# Altium PCB PCB_Therm.PcbDoc (continued)
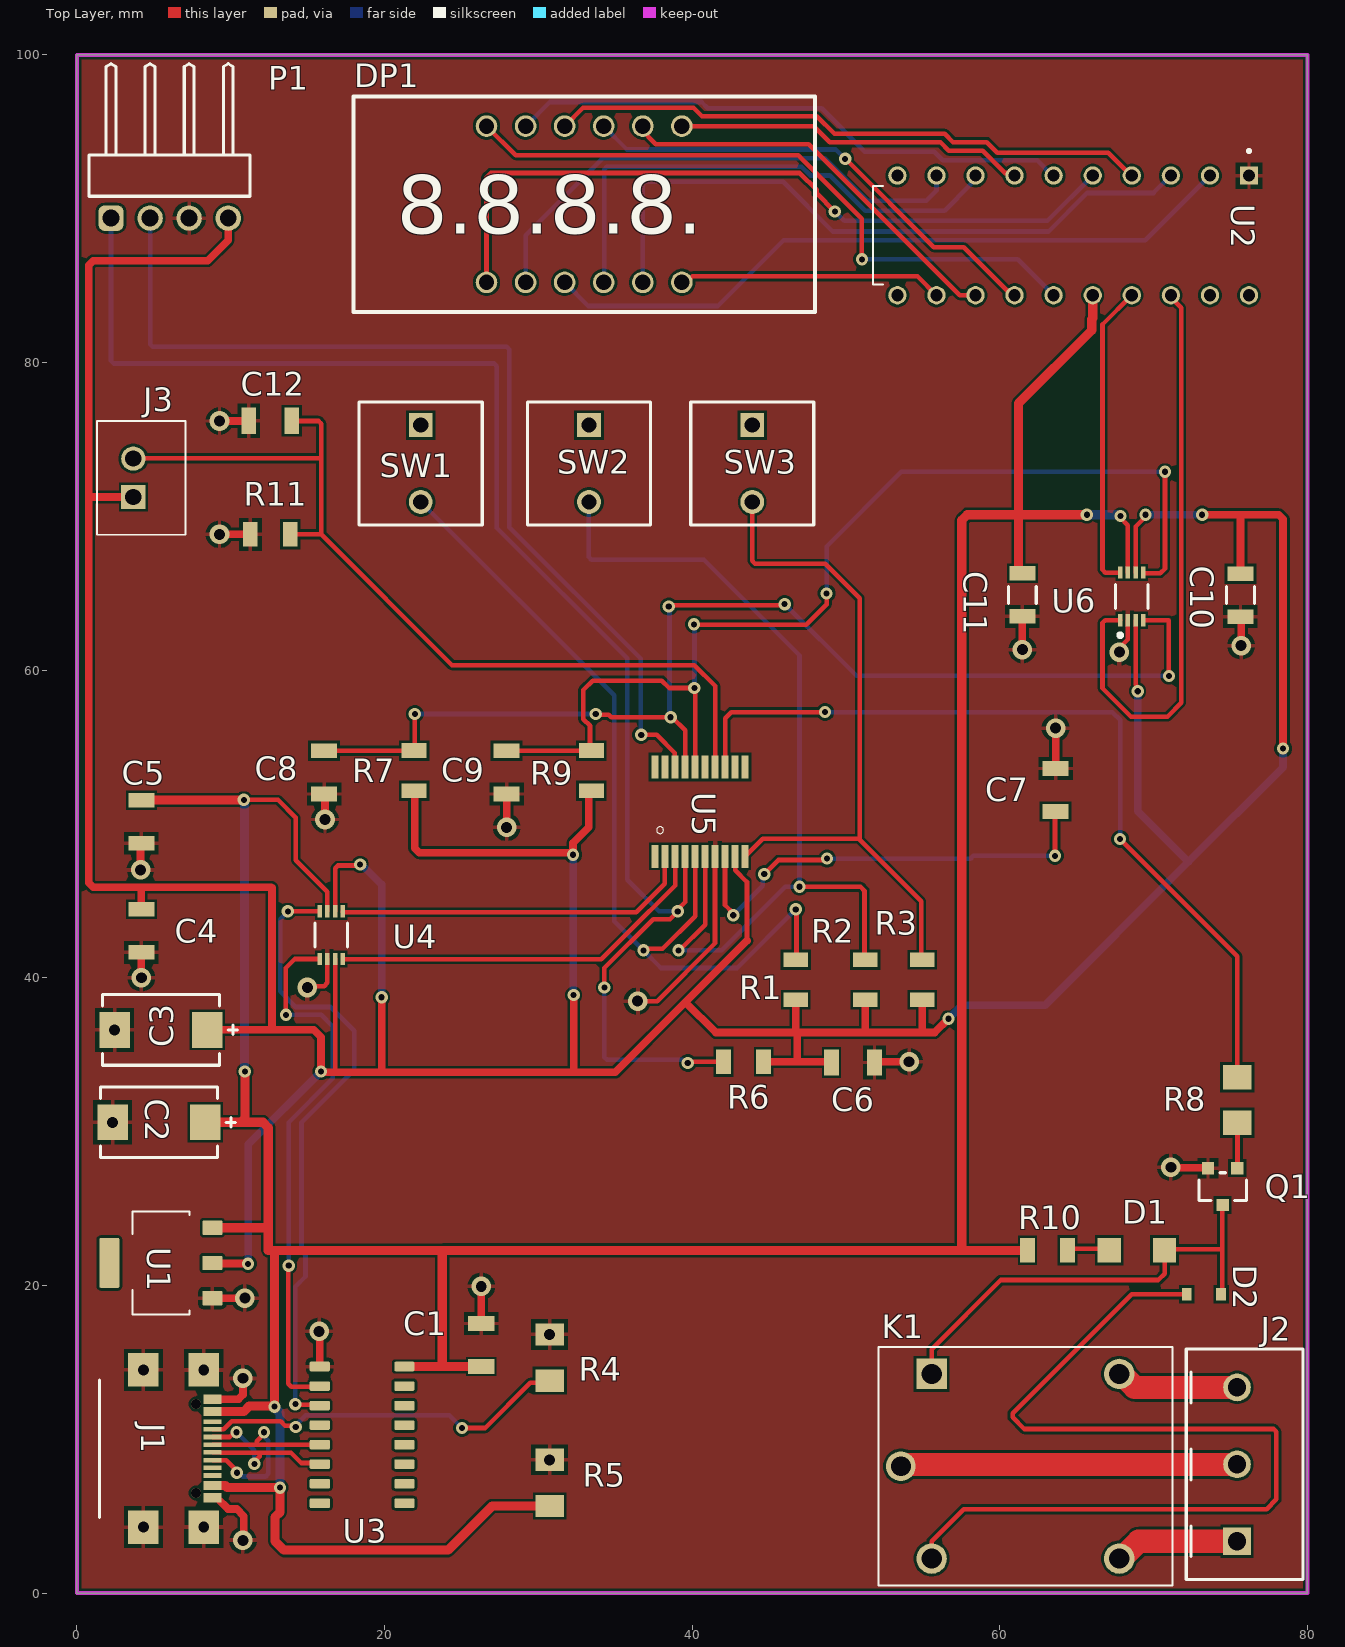
[diagram p0: Top Layer view]
## Part data (continued)
D1: library part CMP-22017-000041-1, "LED RED CLEAR CHIP SMD", Case Code (Imperial)=1206, Case Code (Metric)=3216, Color=Red, Forward Current=30mA, Forward Voltage=2V, Lens Color=Colorless, Max Operating Temperature=85°C, Min Operating Temperature=-55°C, Package Quantity=1, Power Dissipation=75mW, Reverse Voltage=5V, Test Current=20mA, Case/Package=1206, Depth=1.6mm, Dominant Wavelength=631nm, Height=1.1mm, Illumination Color=Red, Lead Free="Lead Free", Length=3.2mm, Lens Style=Diffused, Lens Transparency=Clear, Luminous Intensity=54mcd, Mount="Surface Mount", Number of Elements=1, Number of LEDs=1, Number of Pins=2, Packaging="Tape and Reel", Power Rating=75mW, Radiation Hardening=No, RoHS Compliant=Yes, Viewing Angle=130°, Wavelength=639nm, Width=1.6mm
D2: library part CMP-1055-00462-1, "Schottky Barrier Diode, 2-Pin SOD-323, Pb-Free, Tape and Reel", Manufacturer="On Semiconductor", ComponentLink1Description="Manufacturer URL", ComponentLink1URL=http://www.onsemi.com/, ComponentLink2Description=Datasheet, ComponentLink2URL=http://www.onsemi.cn/pub_link/Collateral/BAT54HT1-D.PDF, ComponentLink3Description="Package Specification", ComponentLink3URL=http://www.onsemi.com/pub_link/Collateral/477-02.PDF.1, Configuration=Single, DatasheetVersion="Rev. 6", IFSM Max (A)=0.6, Mounting Technology="Surface Mount", PackageDescription="2-Pin SOD, Body 1.7 x 1.25 mm", PackageReference=SOD-323-2-477-02, PackageVersion="Rev. H, 03/2007", Packing="Tape and Reel", PartNumber=BAT54HT1G, RoHS=TRUE, trr Max (ns)=5
DP1: library part Component_1
J1: library part CMP-002-00072-1, "USB-C (USB TYPE-C) USB 2.0 Receptacle Connector 24 (16+8 Dummy) Position Surface Mount, Right Angle", Case/Package=None, Check_prices=https://www.snapeda.com/parts/USB4110GFA/Global+Connector+Technology/view-part/?ref=eda, Component Type=Standard, Design Item ID=USB4110GFA, MF="Global Connector Technology", MP=USB4110GFA, Pins=16, SnapEDA_Link=https://www.snapeda.com/parts/USB4110GFA/Global+Connector+Technology/view-part/?ref=snap, Source=USB4110GFA.SchLib
J2: library part CMP-037-000000-1, "3 Position Wire to Board Terminal Block Horizontal with Board 0.197 (5.00mm) Through Hole", Package=None, Check_prices=https://www.snapeda.com/parts/395430603/Molex/view-part/?ref=eda, Component Type=Standard, Design Item ID=39543-0603, MF=Molex, MP=395430603, Pin Count=3, SnapEDA_Link=https://www.snapeda.com/parts/395430603/Molex/view-part/?ref=snap, Source=39543-0603.SchLib
J3: library part CMP-033-000000-1, Package=None, Availability=Unavailable, Component Type=Standard, Design Item ID=B2B-XH-A, MF="{'manufacturer': u'JST Sales America Inc.'}", MP=B2B-XH-A, Pin Count=2, Price=None, Source=B2B-XH-A.SchLib
K1: library part CMP-013-000000-1, "5V Trigger Relay Module For Arduino And Raspberry Pi 5V Trigger Relay Module For Arduino And Raspberry Pi", Package="NON STANDARD-5 Songle Relay", Availability="Not in stock", Check_prices=https://www.snapeda.com/parts/SRD-05VDC-SL-C/Songle+Relay/view-part/?ref=eda, Component Type=Standard, Design Item ID=SRD-05VDC-SL-C, MF="Songle Relay", MP=SRD-05VDC-SL-C, Pin Count=5, Price=None, SnapEDA_Link=https://www.snapeda.com/parts/SRD-05VDC-SL-C/Songle+Relay/view-part/?ref=snap, Source=SRD-05VDC-SL-C.SchLib
P1: library part CMP-1502-01063-3, Color=Black, Contact Resistance=20mΩ, Current Rating=3A, Operating Supply Voltage=250V, Connector Type="Male Pin", Contact Material=Copper, Contact Mating Length=5.9944mm, Contact Plating=Gold, Gender=Male, Lead Pitch=2.54mm, Mount="Through Hole", NexarPartId=31153320, Number of Contacts=4, Number of Pins=4, Number of Positions=4, Number of Rows=1, Pitch=2.54mm, REACH SVHC=Unknown, RoHS=Compliant, Termination=Solder
Q1: library part CMP-83955-000006-1, "MOSFET N-CH 30V 5.7A SOT23", Case/Package=SOT-23, Continuous Drain Current (ID)=5.7A, Drain to Source Voltage (Vdss)=30V, Gate to Source Voltage (Vgs)=12V, Input Capacitance=630pF, Max Operating Temperature=150°C, Max Power Dissipation=1.4W, Min Operating Temperature=-55°C, Lead Free="Lead Free", Mount="Surface Mount", Number of Elements=1, Number of Pins=3, Packaging="Tape and Reel", Power Dissipation=1.4W, Radiation Hardening=No, Rds On Max=26.5mR
R1 R2 R3 R6 R7 R9 R11: library part CMP-03211-004788-1, "CRGP 1206 10K 1%", Ambient Temperature Range High=+70°C, Manufacturer=TE, Package=CRGP1206, Power Rating=0.5W, Resistance=10KΩ, Temperature="-55°C to +155°C", Temperature Coefficient=±100ppm/°C, Temperature Range High=+155°C, Temperature Range Low=-55°C, Tolerance=0.01, Voltage Rating=200V, Automotive=No, Category=Res, ComponentLink2Description=Datasheet, ComponentLink2URL=https://www.mouser.com/datasheet/2/418/NG_DS_9-1773463-9_A-1358566.pdf, Composition="Thick Film", Device Class L1="Passive Components", Device Class L2=Resistors, Device Class L3="Chip SMD Resistors", Digikey Description="CRGP 1206 10K 1%", Height=0.65mm, Ipc Land Pattern Name=RESC310155X55, Lead Free=Yes, Manufacturer Part Number=CRGP1206F10K, Octopart=https://octopart.com/crgp1206f10k-te+connectivity-91018843, RoHS=TRUE, Series=CRGP
R4 R5: library part CMP-08839-028234-1, "5.1kΩ ±1% 0.5W 1206 Anti-Surge Chip Resistor AEC-Q200", Case/Package=1206, Max Operating Temperature=155°C, Max Power Dissipation=333mW, Min Operating Temperature=-55°C, Package Quantity=5000, Resistance=5.1kR, Resistor Type="Thick Film", Temperature Coefficient=100ppm/°C, Tolerance=1%, Features="Automotive AEC-Q200", Height=0.026inch, Length=0.126inch, Number of Terminations=2, Packaging="Tape and Reel", RoHS Compliant=Yes, Series=ESR18, Width=0.063inch
R8: library part CMP-26527-004145-1, "220Ω ±5% 0.25W 1206 Thick Film Chip Resistor AEC-Q200 compliant", Case Code (Imperial)=1206, Case Code (Metric)=3216, Max Operating Temperature=155°C, Max Power Dissipation=250mW, Min Operating Temperature=-55°C, Resistance=220R, Resistor Type="Thick Film", Temperature Coefficient=200ppm/°C, Tolerance=5%, Case/Package=1206, Construction=Rectangular, Contact Plating=Tin, Depth=1.6mm, Features="Automotive AEC-Q200", Height=0.028inch, Lead Free="Lead Free", Length=0.126inch, Military Standard=Not, Mount="Surface Mount", Number of Terminations=2, Packaging="Tape and Reel", Power Rating=250mW, Radiation Hardening=No, RoHS Compliant=Yes, Series=RMCF, Size Code=1206, Width=0.063inch
R10: library part CMP-03211-006592-1, "CRGCQ1206 1KΩ 0.25W 1% ±100ppm/°C 200V", Ambient Temperature Range High=+70°C, Manufacturer="TE Connectivity", Package=CRGCQ1206, Power Rating=0.25W, Resistance=1KΩ, Temperature="-55°C to +155°C", Temperature Coefficient=±100ppm/°C, Temperature Range High=+155°C, Temperature Range Low=-55°C, Tolerance=0.01, Voltage Rating=200V, Automotive=Yes, Automotive Grade="Grade 685", Category=Res, ComponentLink2Description=Datasheet, ComponentLink2URL=https://www.te.com/commerce/DocumentDelivery/DDEController?Action=showdoc&DocId=Data+Sheet%7F1773204-3%7F1%7Fpdf%7FEnglish%7FENG_DS_1773204-3_1.pdf%7F4-2176347-694, Composition="Thick Film", Device Class L1="Passive Components", Device Class L2=Resistors, Device Class L3="Chip SMD Resistors", Height=0.65mm, Ipc Land Pattern Name=RESC310155X55, Lead Free=Yes, Manufacturer Part Number=CRGCQ1206F1K0, Octopart=https://octopart.com/crgcq1206f1k0-te+connectivity-91018258, RoHS=TRUE, Series=CRGCQ
SW1 SW2 SW3: library part CMP-00287-56250562-1, "EVQ-QJJ05Q Switch Tactile N.O. SPST Round Button PC Pins 0.005A 12VDC 0.8N Thru-Hole Radial T/R", Case/Package=Axial, Contact Current Rating=5mA, Contact Resistance=200mΩ, Max Operating Temperature=70°C, Max Voltage Rating (DC)=12V, Min Operating Temperature=-20°C, Operating Force=800mN, Actuator Length=1.5mm, Contact Plating=Silver, Current Rating=5mA, Electrical Life=1Mcycles, Height=5mm, Illumination Type="Illuminated, Non-Illuminated", Lead Free="Lead Free", Length=8mm, Life (Cycles)=1Mcycles, Mechanical Life=1Mcycles, Mount="Through Hole", NexarPartId=56250562, Orientation=Straight, Packaging="Tape & Box (TB)", Radiation Hardening=No, REACH SVHC="No SVHC", RoHS=Compliant, Switch Function=Off-Mom, Switch Travel=1mm, Termination="PC Pin", Throw Configuration=SPST, Voltage Rating (DC)=12V, Width=8mm
U1: library part CMP-031-00006-2, "Linear Voltage Regulator IC Positive Fixed 1 Output 1A SOT-223-3L", Case/Package="SOT-223-3L UMW", Check_prices=https://www.snapeda.com/parts/AMS1117-3.3/UMW/view-part/?ref=eda, Component Type=Standard, Design Item ID=AMS1117-3.3, MF=UMW, MP=AMS1117-3.3, Pins=3, SnapEDA_Link=https://www.snapeda.com/parts/AMS1117-3.3/UMW/view-part/?ref=snap, Source=AMS1117-3.3.SchLib
U2: "LED Drive Control Special Circuit", Package=None, Check_prices=https://www.snapeda.com/parts/TM1637/Titan+Micro+Electronics/view-part/?ref=eda, MF="Titan Micro Electronics", MP=TM1637, SnapEDA_Link=https://www.snapeda.com/parts/TM1637/Titan+Micro+Electronics/view-part/?ref=snap
U3: library part CMP-019-000000-1, "USB to serial chip CH340", Package=None, Availability="Not in stock", Check_prices=https://www.snapeda.com/parts/CH340C/WCH/view-part/?ref=eda, Component Type=Standard, Design Item ID=CH340C, MF=WCH, MP=CH340C, Pin Count=16, Price=None, SnapEDA_Link=https://www.snapeda.com/parts/CH340C/WCH/view-part/?ref=snap, Source=CH340C.SchLib
U4 U6: library part CMP-0859-00001-2, "IC TRNSLTR BIDIRECTIONAL US8", Ambient Temperature Range High=+85°C, Ambient Temperature Range Low=-40°C, Manufacturer="Texas Instruments", Max Junction Temp=+150°C, Max Supply Voltage=5.5V, Min Supply Voltage=1.65V, Nominal Supply Current=1-14.4uA, Package=DCU0008A, Temperature="-40°C to +85°C", Automotive=No, Category=IC, ComponentLink2Description=Datasheet, ComponentLink2URL=http://www.ti.com/lit/ds/symlink/txs0102.pdf, Data Rate=24Mbits/s, Device Class L1="Integrated Circuits (ICs)", Device Class L2="Logic ICs", Device Class L3="Voltage Level Shifters", Digikey Description="IC TRNSLTR BIDIRECTIONAL US8", Height=0.9mm, Lead Free=Yes, Logic Function Desc="Bidirectional Voltage-Level Translator", Manufacturer Part Number=TXS0102DCUR, Mouser Description="Translation - Voltage Levels 2-Bit Bi-Directional Voltage-Level-Trans", Number Of Circuits=1, Number Of Inputs=2, Number Of Outputs=2, Octopart=https://octopart.com/txs0102dcur-texas+instruments-5414308, RoHS=TRUE, Standoff Height=0mm, Temperature Range High=+85°C, Temperature Range Low=-40°C, V A Max=3.6V, V A Min=1.65V, V B Max=5.5V, V B Min=2.3V
U5: "STM8 series Microcontroller IC 8-Bit 16MHz 8KB (8K x 8) FLASH 20-TSSOP", Package="TSSOP-20 STMicroelectronics", Check_prices=https://www.snapeda.com/parts/STM8S103F3P6/STMicroelectronics/view-part/?ref=eda, MF=STMicroelectronics, MP=STM8S103F3P6, SnapEDA_Link=https://www.snapeda.com/parts/STM8S103F3P6/STMicroelectronics/view-part/?ref=snap

## Via types
v1: diameter 0.8, hole 0.4, Top Layer to Bottom Layer, 54 vias
v2: diameter 1.27, hole 0.711, Top Layer to Bottom Layer, 27 vias

## Nets (pads, with @x,y where several pads share a name; then routed paths per layer and width w, separated by ;. In a path a pad name is that pad's centre, name@x,y a point inside that pad or via, vN(x,y) a via of type N, cw(c..) or ccw(c..) an arc to the next point about the centre after c; other vN are vias at no path point)
+3.3V: C3.2 C4.2 C6.2 C10.2 J3.1 P1.4 R1.2 R2.2 R3.2 R6.2 R7.2 R9.2 U1.2 U4.3 U4.6 U5.9 U6.3 U6.6 | length 309.6
  Top Layer w0.3: 16.787,33.854 U4.3 ; U4.6@16.791,44.322 16.791,47.123 16.967,47.299 18.343,47.299 v1(18.415,47.371) ; U5.9 42.809,47.879 42.809,46.983 43.561,46.231 43.561,42.418 ; U6.3 68.826,62.908 68.827,59.061 68.868,59.019 68.868,58.731 v1(68.964,58.635) ; U6.6 68.826,69.339 69.469,69.982 v1(69.469,70.104)
  Top Layer w0.5: J3.1 0.768,71.253 0.762,71.247 ; C4.2 4.191,45.886 ; C3.2 8.473,36.614 12.683,36.614 ; U1.2 8.836,21.433 11.095,21.433 v1(11.125,21.402) ; P1.4 9.839,87.944 8.509,86.614 1.055,86.614 0.762,86.321 0.762,71.247 ; v1@15.875,33.854 16.787,33.854 19.812,33.854 ; v1(15.875,33.909) 15.875,36.134 15.395,36.614 12.683,36.614 ; v1(19.812,38.735) 19.812,33.854 ; R7.2 21.918,51.989 21.964,51.943 21.964,48.426 22.257,48.133 v1@32.258,48.133 ; v1(32.258,48.006) 32.258,48.768 33.274,49.784 33.274,51.993 R9.2 ; v1(32.296,38.881) 32.295,33.854 ; 43.561,42.418 39.561,38.418 ; R6.2 46.823,34.544 ; R1.2 46.736,36.536 46.823,36.449 ; C6.2 49.006,34.544 46.823,34.544 ; R2.2 51.245,36.513 51.181,36.449 ; R3.2 54.954,36.539 54.864,36.449 ; v1(56.661,37.338) 55.772,36.449 54.864,36.449 ; v1(73.152,70.104) 75.819,70.104 ; C10.2 75.645,69.93 75.819,70.104 ; v1(78.415,54.903) 78.415,69.811 78.122,70.104 75.819,70.104 ; 0.762,71.247 0.762,46.179 1.055,45.886 4.191,45.886 ; 4.191,45.886 12.645,45.886 12.683,45.847 12.683,36.614 ; 19.812,33.854 32.295,33.854 ; 32.295,33.854 34.997,33.854 39.56,38.418 ; 39.561,38.417 41.529,36.449 46.823,36.449 ; 46.823,34.544 46.823,36.449 ; 46.823,36.449 51.181,36.449 ; 51.181,36.449 54.864,36.449
  Bottom Layer w0.5: v1@11.141,21.419 11.141,29.175 v1(15.875,33.909) ; v1(18.415,47.371) 18.496,47.371 19.261,46.606 19.268,46.606 19.812,46.062 v1(19.812,38.735) ; v1(32.258,48.006) 32.277,47.987 32.277,38.9 v1(32.296,38.881) ; v1(56.661,37.338) 57.533,38.21 62.937,38.21 72.263,47.536 ; v1(68.964,58.635) 68.964,50.836 72.263,47.536 ; v1(69.469,70.104) v1(73.152,70.104) ; v1(78.415,54.903) 78.415,53.688 72.263,47.536
+5V: C1.2 C2.2 C5.2 C11.2 J1.A4/B9 J1.B4/A9 R5.2 R10.1 U1.3 U2.16 U3.16 U4.7 U6.7 | length 244.9
  Top Layer w0.3: v1(10.857,51.569) 13.074,51.569 14.224,50.419 14.224,47.653 16.287,45.59 U4.7 ; v1(67.846,70.027) 67.846,69.892 68.326,69.412 U6.7
  Top Layer w0.6: C5.2 4.201,51.559 10.847,51.559 v1(10.857,51.569) ; C2.2 10.668,30.607 ; U1.3 8.81,23.749 12.095,23.749 ; J1.B4/A9 9.639,6.998 9.779,6.858 v1(13.208,6.858) 13.208,5.262 12.871,4.926 12.871,3.385 13.462,2.794 24.13,2.794 27,5.664 R5.2 ; J1.A4/B9 9.819,11.798 9.821,11.8 10.846,11.8 11.206,12.16 v1@12.844,12.16 ; v1(10.922,33.909) 10.922,30.861 10.668,30.607 ; v1(12.844,12.123) v1@12.844,12.16 ; U3.16 23.757,14.732 ; C1.2@26.221,14.732 23.757,14.732 ; C11.2@61.214,66.294 61.214,70.104 ; R10.1@61.777,22.267 57.531,22.267 ; v1(65.659,70.104) 61.214,70.104 ; U2.16 66.04,82.88 65.971,82.811 65.971,82.1 61.214,77.343 61.214,70.104 ; 10.668,30.607 12.095,30.607 12.446,30.256 12.446,22.267 12.844,22.267 ; v1@12.844,12.16 12.844,22.267 ; 12.844,22.267 23.749,22.267 ; 23.749,22.267 57.531,22.267 ; 23.749,22.267 23.757,22.26 23.757,14.732 ; 57.531,22.267 57.531,69.753 57.882,70.104 61.214,70.104
  Bottom Layer w0.6: v1(10.857,51.569) 10.89,51.536 10.89,33.941 v1(10.922,33.909) ; v1(12.844,12.123) 12.844,12.069 13.208,11.706 v1(13.208,6.858) ; v1(65.659,70.104) 67.715,70.104 67.792,70.027 v1(67.846,70.027)
GND: C1.1 C2.1 C3.1 C4.1 C5.1 C6.1 C7.2 C8.2 C9.2 C10.1 C11.1 C12.1 J1.A1/B12 J1.B1/A12 J1.S1 J1.S2 J1.S3 J1.S4 P1.3 Q1.2 R4.1 R5.1 R11.1 U1.1 U2.1 U3.1 U4.2 U5.7 U6.2 | length 54.2
  Top Layer w0.3: v2(14.986,39.37) 15.076,39.46 16.071,39.46 16.287,39.676 U4.2 ; v2(36.449,38.481) 37.719,38.481 41.483,42.245 U5.7@41.483,47.895 ; v2(67.769,61.174) 67.769,61.437 68.326,61.994 U6.2
  Top Layer w0.5: v2(4.142,47.02) 4.142,48.699 C5.1 ; v2(4.191,40.005) C4.1@4.191,41.275 ; U1.1 8.808,19.175 10.92,19.175 v2(10.922,19.177) ; J1.B1/A12@8.822,6.194 9.101,6.194 9.824,5.471 10.384,5.471 10.855,5.001 10.855,3.489 v2(10.795,3.429) ; J1.A1/B12 10.502,12.598 10.795,12.891 v2(10.795,13.97) ; v2(9.271,68.834) R11.1 ; v2(9.271,76.2) 11.176,76.2 11.176,76.212 C12.1 ; v2(15.748,17.018) 15.792,16.974 U3.1 ; C8.2 16.129,51.898 v2(16.129,50.292) ; C1.1 v2(26.289,19.939) ; v2(27.94,49.784) C9.2 ; v2(30.734,16.815) R4.1@30.988,17.069 ; C6.1 51.906,34.544 v2(54.102,34.544) ; v2(61.468,61.341) C11.1 ; C7.2 v2(63.627,56.238) ; v2(71.12,27.686) 71.15,27.656 73.507,27.656 Q1.2 ; C10.1 75.692,63.432 v2(75.692,61.595)
  other v2: 4.317,4.288 8.247,4.288 30.734,8.666 4.317,14.508 8.247,14.508 2.324,30.607 2.451,36.616
NetC7_1: C7.1 U5.8 | length 29.8
  Top Layer w0.3: U5.8 42.136,47.898 42.136,44.735 42.672,44.199 v1(42.672,44.069) ; v1(44.687,46.742) 45.601,47.656 48.672,47.656 v1(48.768,47.752) ; v1(63.589,47.927) 63.589,50.773 C7.1@63.617,50.801
  Bottom Layer w0.3: v1(42.672,44.069) 44.592,45.989 44.592,46.647 v1(44.687,46.742) ; v1(48.768,47.752) 58.098,47.752 58.273,47.927 v1(63.589,47.927)
NetC8_1: C8.1 R7.1 U5.17 U6.4 | length 75.7
  Top Layer w0.3: C8.1 16.098,54.773 R7.1 21.971,54.826 v1(21.971,57.15) ; v1(33.733,57.15) 33.789,57.094 34.583,57.094 34.733,56.944 v1(38.598,56.944) 38.687,56.944 39.538,56.093 U5.17 ; v1(38.481,64.135) 38.561,64.215 45.933,64.215 v1(46.013,64.295) ; U6.4 70.993,63.246 v1(70.993,59.627)
  Bottom Layer w0.3: v1(21.971,57.15) v1(33.733,57.15) ; v1(38.481,64.135) 38.524,64.092 38.524,57.018 v1(38.598,56.944) ; v1(46.013,64.295) 50.682,59.627 v1(70.993,59.627)
NetC9_1: C9.1 R9.1 U5.16 U6.5 | length 71.2
  Top Layer w0.3: C9.1 33.43,54.751 R9.1 ; R9.1@33.361,54.773 33.361,56.385 32.929,56.817 32.929,58.713 33.537,59.321 38.023,59.321 38.505,58.84 v1(40.142,58.84) 40.198,58.784 U5.16@40.198,53.71 ; v1(40.122,62.977) 40.152,62.948 47.414,62.948 48.738,64.273 v1(48.738,64.991) ; U6.5@69.469,66.294 70.436,66.294 70.739,66.597 v1(70.739,72.898)
  Bottom Layer w0.3: v1(40.122,62.977) 40.155,62.945 v1@40.155,58.853 ; v1(48.738,64.991) 48.738,68.042 53.594,72.898 v1(70.739,72.898)
NetC12_2: C12.2 J3.2 R11.2 U5.14 | length 58.4
  Top Layer w0.3: J3.2@3.666,73.787 15.875,73.787 ; R11.2 15.875,68.834 ; C12.2@13.973,76.2 15.705,76.2 15.881,76.024 15.881,73.793 15.875,73.787 ; U5.14 41.488,58.969 40.132,60.325 24.384,60.325 15.875,68.834 ; 15.875,68.834 15.875,73.787
NetD1_1: D1.1 D2.2 K1.A1 Q1.3 | length 29.7
  Top Layer w0.3: K1.A1 55.567,15.865 60.054,20.353 70.294,20.353 70.714,20.773 D1.1 ; D1.1@70.866,22.352 74.438,22.352 74.454,22.336 ; D2.2@74.454,19.431 74.454,22.336 ; Q1.3@74.454,25.24 74.454,22.336
NetD1_2: D1.2 R10.2 | length 2.3
  Top Layer w0.3: R10.2@64.77,22.39 D1.2@67.114,22.39
NetD2_1: D2.1 K1.A2 | length 61.8
  Top Layer w0.3: K1.A2@55.85,2.529 K1.A2 55.567,3.37 57.658,5.461 77.348,5.461 77.981,6.093 77.978,6.096 77.978,10.492 77.802,10.668 61.595,10.668 60.83,11.433 60.83,11.681 68.58,19.431 D2.1
NetDP1_D1: DP1.D1 U2.15 | length 43.1
  Top Layer w0.3: DP1.D1 28.527,93.472 46.896,93.472 51.023,89.345 v1@51.023,86.724 ; U2.15@63.416,84.459 U2.15
  Bottom Layer w0.3: v1(51.04,86.707) 61.168,86.707 U2.15
NetDP1_D2: DP1.D2 U2.14 | length 31.3
  Top Layer w0.3: DP1.D2 DP1.D2@34.269,95.35 ; v1@49.968,93.243 55.709,87.502 57.657,87.502 60.784,84.375 U2.14
  Bottom Layer w0.3: DP1.D2@34.249,95.36 35.762,93.847 49.338,93.847 v1(49.942,93.243)
NetDP1_D3: DP1.D3 U2.13 | length 26.4
  Top Layer w0.3: DP1.D3 36.789,95.071 37.137,94.722 37.137,94.689 37.639,94.187 47.583,94.187 57.394,84.375 U2.13
NetDP1_D4: DP1.D4 U2.12 | length 17.2
  Top Layer w0.3: DP1.D4 39.628,85.21 40.022,85.605 54.65,85.605 U2.12
NetDP1_DP: DP1.DP U2.2 | length 46.1
  Bottom Layer w0.3: DP1.DP 33.243,83.676 41.669,83.676 45.937,87.944 69.449,87.944 U2.2
NetDP1_SEGA: DP1.SEGA U2.6 | length 37.1
  Top Layer w0.3: DP1.SEGA@29.1,95.439 DP1.SEGA
  Bottom Layer w0.3: DP1.SEGA 30.734,96.936 40.605,96.936 41.021,96.52 48.417,96.52 51.229,93.708 55.74,93.708 56.294,93.154 62.42,93.154 63.419,92.155 U2.6
NetDP1_SEGB: DP1.SEGB U2.7 | length 22.9
  Top Layer w0.3: DP1.SEGB@39.34,95.359 47.901,95.359 48.946,94.314 56.146,94.314 56.685,93.776 58.878,93.776 60.329,92.325 60.79,92.325 U2.7
NetDP1_SEGC: DP1.SEGC U2.8 | length 33.9
  Bottom Layer w0.3: DP1.SEGC 34.274,85.235 34.274,92.552 34.449,92.728 47.109,92.728 47.674,92.163 48.951,92.163 51.242,89.872 56.411,89.872 58.118,91.579 58.118,91.613 58.42,91.914 U2.8
NetDP1_SEGD: DP1.SEGD U2.9 | length 34.2
  Bottom Layer w0.3: DP1.SEGD 29.169,88.27 34.18,93.282 48.626,93.282 51.398,90.511 55.21,90.511 55.88,91.181 U2.9
NetDP1_SEGE: DP1.SEGE U2.5 | length 49
  Top Layer w0.3: DP1.SEGE 26.629,92.034 26.913,92.318 47.001,92.318 48.091,91.228 48.091,91 v1(49.277,89.813)
  Bottom Layer w0.3: v1(49.277,89.813) 49.282,89.813 49.881,89.215 63.1,89.215 U2.5
NetDP1_SEGF: DP1.SEGF U2.4 | length 39.2
  Top Layer w0.3: DP1.SEGF 32.905,96.567 40.085,96.567 40.64,96.012 48.109,96.012 49.253,94.868 56.418,94.868 56.956,94.33 59.148,94.33 59.827,93.651 67.059,93.651 U2.4@68.555,92.155
NetDP1_SEGG: DP1.SEGG U2.3 | length 43.6
  Bottom Layer w0.3: DP1.SEGG 36.781,85.218 36.781,91.567 36.957,91.742 45.926,91.742 49.149,88.519 63.187,88.519 65.693,91.025 69.99,91.025 U2.3
NetJ1_A5: J1.A5 R4.2 | length 24.3
  Top Layer w0.3: J1.A5 9.539,10.648 10.067,11.176 13.246,11.176 13.531,10.891 14.128,10.891 v1(14.224,10.795) ; v1(25.039,10.733) 26.541,10.733 29.483,13.675 30.596,13.675 R4.2
  Bottom Layer w0.3: v1(14.224,10.795) 14.224,10.905 14.876,11.557 24.215,11.557 v1(25.039,10.733)
NetJ1_A6: J1.A6 J1.B6 U3.5 | length 15
  Top Layer w0.3: J1.B6 9.702,8.648 10.399,7.951 v1(10.399,7.825) ; J1.A6 11.684,9.652 ; v1(12.159,10.456) 12.159,10.343 11.684,9.868 11.684,9.652 ; U3.5@15.792,9.657 11.684,9.652
  Bottom Layer w0.3: v1(10.399,7.825) 10.525,7.825 10.773,7.578 12.27,7.578 12.446,7.753 12.446,9.903 12.255,10.095 12.255,10.36 v1(12.159,10.456)
NetJ1_A7: J1.A7 J1.B7 U3.6 | length 12.4
  Top Layer w0.3: J1.A7 9.335,9.148 9.365,9.118 11.885,9.118 ; J1.B7 9.932,10.148 10.24,10.456 v1(10.376,10.456) ; v1(11.539,8.403) 11.539,8.539 11.885,8.884 11.885,9.118 ; U3.6 15.714,8.46 14.576,8.46 13.918,9.118 11.885,9.118
  Bottom Layer w0.3: v1(10.376,10.456) 11.539,9.293 v1(11.539,8.403)
NetJ2_1: J2.1 K1.NO | length 8.1
  Top Layer w1.5: K1.NO 67.897,2.246 69.022,3.372 J2.1
NetJ2_2: J2.2 K1.COM | length 21.9
  Top Layer w1.5: K1.COM 53.65,8.329 53.958,8.329 54,8.372 J2.2
NetJ2_3: J2.3 K1.NC | length 8
  Top Layer w1.5: K1.NC 67.897,14.246 68.772,13.372 J2.3
NetP1_1: P1.1 R6.1 U5.4 | length 99.3
  Top Layer w0.3: v1(34.29,39.37) 34.29,40.64 37.465,43.815 38.561,43.815 v1(39.066,44.32) 39.066,44.456 39.538,44.927 U5.4 ; v1(39.716,34.467) 39.843,34.467 39.92,34.544 R6.1
  Bottom Layer w0.3: P1.1 2.219,80.115 2.394,79.939 27.129,79.939 27.305,79.763 27.305,69.246 35.78,60.771 35.78,46.385 37.845,44.32 v1(39.066,44.32) ; v1(34.29,39.37) 34.29,34.847 34.466,34.671 39.376,34.671 39.581,34.467 v1(39.716,34.467)
NetP1_2: P1.2 U5.18 | length 63.9
  Top Layer w0.3: v1(36.688,55.794) 37.69,55.794 38.867,54.617 38.867,53.721 U5.18
  Bottom Layer w0.3: P1.2 4.759,81.197 4.934,81.021 27.936,81.021 28.112,80.846 28.112,69.3 36.652,60.76 36.652,55.83 v1(36.688,55.794)
NetQ1_1: Q1.1 R8.1 | length 3
  Top Layer w0.3: R8.1@75.455,30.56 75.455,27.664 75.499,27.62 Q1.1@75.499,27.616
NetR1_1: R1.1 SW1.B U5.5 | length 58.9
  Top Layer w0.3: v1(36.83,41.783) 36.926,41.879 38.069,41.879 40.192,44.002 U5.5@40.192,47.896 ; v1(46.736,44.45) 46.784,44.402 R1.1@46.784,40.877
  Bottom Layer w0.3: SW1.B 34.925,58.362 34.925,43.688 v1(36.83,41.783) 37.973,40.64 42.926,40.64 v1(46.736,44.45)
NetR2_1: R2.1 SW2.B U5.6 | length 60.2
  Top Layer w0.3: SW2.B@33.283,70.927 SW2.B ; v1(39.116,41.783) 39.173,41.783 40.838,43.448 U5.6 ; v1(46.976,45.926) 50.945,45.926 51.199,45.671 R2.1@51.199,41.179
  Bottom Layer w0.3: SW2.B@33.274,70.936 33.274,67.359 33.45,67.183 40.767,67.183 46.976,60.974 v1(46.976,45.926) 46.053,45.926 41.91,41.783 v1(39.116,41.783)
NetR3_1: R3.1 SW3.B U5.10 | length 44.8
  Top Layer w0.3: U5.10 44.586,49.048 50.792,49.048 ; SW3.B 43.906,67.105 44.081,66.929 48.641,66.929 50.864,64.706 ; 50.906,64.664 50.906,48.964 54.898,44.972 R3.1@54.898,41.179
NetR8_2: R8.2 U5.13 | length 55.6
  Top Layer w0.3: U5.13 42.151,53.713 42.151,56.883 42.545,57.277 v1(48.641,57.277) ; v1(67.818,49.022) 75.438,41.402 R8.2
  Bottom Layer w0.3: v1(48.641,57.277) 67.31,57.277 67.818,56.769 v1(67.818,49.022)
NetU2_17: U2.17 U6.8 | length 19.7
  Top Layer w0.3: U6.8@67.704,66.346 66.851,66.346 66.675,66.522 66.675,82.47 U2.17
NetU2_18: U2.18 U6.1 | length 38.5
  Top Layer w0.3: U6.1 66.851,63.246 66.675,63.07 66.675,58.837 68.531,56.981 70.902,56.981 71.797,57.876 71.797,83.574 71.12,84.251 U2.18
NetU3_2: U3.2 U4.1 | length 35.4
  Top Layer w0.3: v1(13.589,37.592) 13.589,40.64 14.171,41.222 U4.1 ; v1(13.771,21.288) 13.75,21.267 13.75,13.602 13.926,13.426 15.756,13.426 U3.2
  Bottom Layer w0.3: v1(13.589,37.592) 15.881,37.592 16.637,36.836 16.637,33.462 13.771,30.595 v1(13.771,21.288)
NetU3_3: U3.3 U4.8 | length 40.9
  Top Layer w0.3: v1(13.716,44.323) 13.719,44.32 15.621,44.32 ; v1(14.201,12.287) 14.249,12.239 15.745,12.239 U3.3
  Bottom Layer w0.3: v1(13.716,44.323) 13.208,43.815 13.208,39.116 14.224,38.1 16.504,38.1 18.034,36.57 18.034,34.036 14.605,30.607 14.605,22.225 14.861,21.969 14.861,20.581 14.201,19.921 v1(14.201,12.287)
NetU4_4: U4.4 U5.3 | length 25.5
  Top Layer w0.3: U4.4@17.311,41.215 34.082,41.215 37.236,44.369 37.257,44.369 38.888,46 U5.3
NetU4_5: U4.5 U5.2 | length 23.6
  Top Layer w0.3: U4.5 17.287,44.254 36.359,44.254 38.227,46.122 38.227,47.889 U5.2
pads on no net: J1. J1.A8 J1.B5 J1.B8 SW1.A SW2.A SW3.A U1.4 U2.10 U2.11 U2.19 U2.20 U3.4 U3.7 U3.8 U3.9 U3.10 U3.11 U3.12 U3.13 U3.14 U3.15 U5.1 U5.11 U5.12 U5.15 U5.19 U5.20

## Polygon pours and split planes (outlines as drawn)
GND on Bottom Layer "GND_L02_P001" (solid, remove dead copper, pour order 1): 0,100 0,0 79.996,0 79.999,0.004 79.999,100.001
GND on Bottom Layer "GND_L02_P000" (solid, remove dead copper, pour order 0): 0,100.001 0,0
GND on Top Layer "GND_L01_P002" (solid, remove dead copper, pour order 2): 0,100 0,0 79.996,0 79.996,100.001

## Keep-outs
Keep-Out Layer:
  lines w0.254: 79.996,0 0,0 0,100 79.999,100 79.999,0

## Text inside footprints (layer, text, board x,y; h text height)
DP1: Top Overlay "8.8.8.8." at 20.787,88.385 h3.81